# Altium PCB MSP430F55 Microcontroller.PcbDoc (part 2 of 2)
Units mm, origin at the board's own origin, x right, y up, seen from the top; angles counter-clockwise.
Board outline 86.39 x 49.56 mm, 4 copper layers (Top Layer, GND, Signal, Bottom), stack 1.586 mm thick; 127 components, 113 nets, 432 pads, 154 vias.
Unrouted connection lines stored in the file: 10.
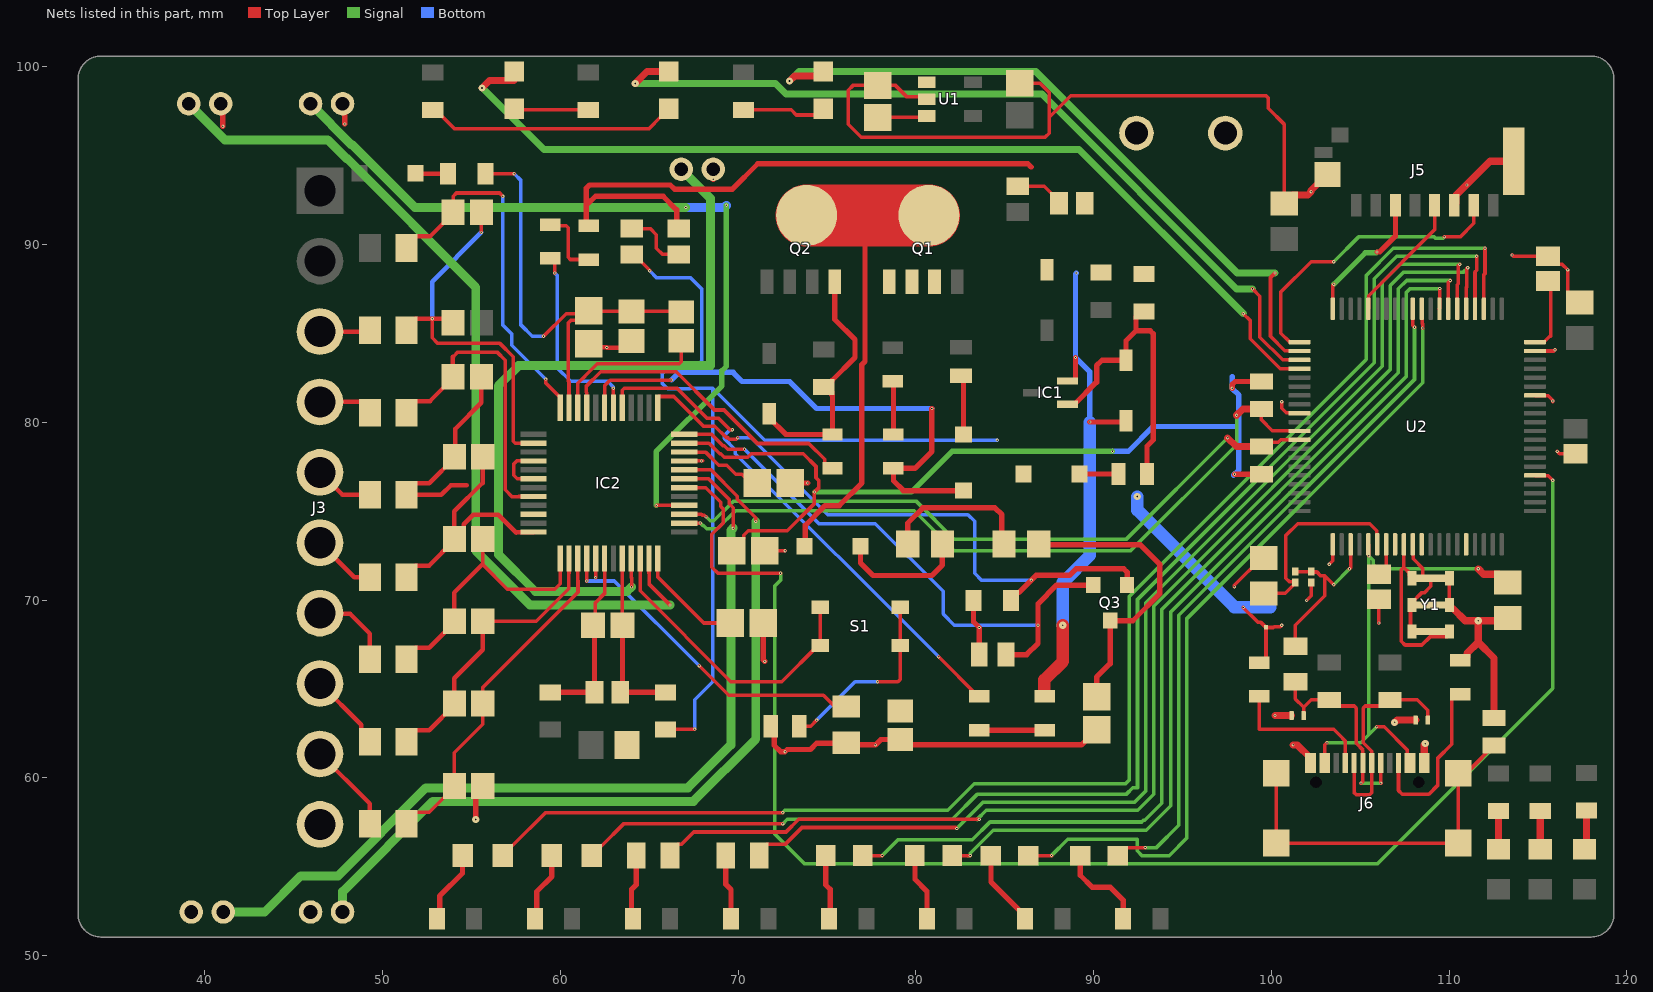
[diagram p4: the nets of this part, all layers, seen from the top]

## Via types
v1: diameter 0.178, hole 0.076, Top Layer to Bottom, 52 vias
v2: diameter 0.178, hole 0.076, Top Layer to Signal, 46 vias
v3: diameter 0.178, hole 0.076, Top Layer to GND, 27 vias
v4: diameter 0.4, hole 0.1, Top Layer to GND, 14 vias
v5: diameter 0.4, hole 0.1, Top Layer to Bottom, 6 vias
v6: diameter 0.4, hole 0.1, Top Layer to Signal, 6 vias
v7: diameter 0.178, hole 0.076, Signal to Bottom, 3 vias

## Nets (pads, with @x,y where several pads share a name; then routed paths per layer and width w, separated by ;. In a path a pad name is that pad's centre, name@x,y a point inside that pad or via, vN(x,y) a via of type N, cw(c..) or ccw(c..) an arc to the next point about the centre after c; other vN are vias at no path point) (continued)
DFETOFF: IC2.30 U2.5 | length 86.5
  Top Layer w0.2: IC2.30@66.976,76.322 68.19,76.322 69.017,75.494 69.017,75.262 69.161,75.118 69.161,74.332 68.522,73.693 68.522,71.849 68.87,71.501 v2(72.39,71.501) ; U2.5@114.829,77.006 114.85,76.985 115.571,76.985 v2(115.824,76.732)
  Signal w0.2: v2(72.39,71.501) 72.39,71.12 72.051,70.781 72.051,56.854 73.737,55.168 105.968,55.168 115.824,65.024 v2(115.824,76.732)
DI_N: J6.A7 J6.B7 R33.1 U5.1 | length 12.3
  Top Layer w0.2: J6.B7@104.648,60.833 104.648,59.172 104.765,59.055 105.527,59.055 105.644,59.172 105.644,60.183 105.648,60.187 J6.A7@105.648,60.833 105.648,61.495 105.167,61.976 105.167,63.922 105.284,64.039 106.33,64.039 R33.1@106.68,64.389 108.204,64.389 108.798,63.795 U5.1@108.798,63.246
DI_P: J6.A6 J6.B6 R34.1 R35.1 U4.1 | length 12.1
  Top Layer w0.2: R35.1@101.346,65.405 101.346,64.434 101.813,63.967 ; U4.1@101.813,63.5 101.813,63.967 ; v2(105.041,59.702) 105.148,59.809 J6.A6@105.148,60.833 105.148,61.559 104.764,61.943 104.764,63.922 104.647,64.039 103.601,64.039 R34.1@103.251,64.389 102.235,64.389 101.813,63.967 ; J6.B6@106.148,60.833 106.148,59.714 v2@106.172,59.69
  Signal w0.2: v2(105.041,59.702) v2(106.16,59.702)
L1: DS1.2 U2.23 | length 81.7
  Top Layer w0.2: DS1.2@56.751,55.626 56.751,55.701 57.226,56.176 57.301,56.176 59.164,58.039 v2(72.517,58.039) ; U2.23@111.954,86.381 111.954,88.307 112.014,88.367 v2(112.014,89.789)
  Signal w0.2: v2@72.505,58.039 72.632,58.166 81.788,58.166 83.293,59.671 91.795,59.671 92.014,59.89 92.014,70.22 105.326,83.531 105.326,88.254 106.861,89.789 v2(112.014,89.789)
L2: DS2.2 U2.24 | length 75.7
  Top Layer w0.2: DS2.2@61.775,55.626 61.775,55.701 62.25,56.176 62.325,56.176 63.553,57.404 72.51,57.404 v2(72.513,57.408) ; U2.24@111.454,86.381 111.454,88.449 111.545,88.54 v2(111.545,89.335)
  Signal w0.2: v2@72.505,57.404 72.759,57.658 82.042,57.658 83.469,59.085 91.851,59.085 92.209,59.443 92.468,59.443 92.468,70.032 105.78,83.343 105.78,88.066 107.049,89.335 v2(111.545,89.335)
L3: LED3.1 U2.25 | length 70.1
  Top Layer w0.2: LED3.1@66.175,55.626 66.175,55.826 66.6,56.251 66.8,56.251 67.499,56.95 72.698,56.95 73.406,57.658 v2(83.566,57.658) ; U2.25@110.954,86.381 110.954,87.586 110.999,87.631 110.999,88.648 v2(111.045,88.693)
  Signal w0.2: 83.443,57.654 83.965,58.177 92.487,58.177 93.376,59.067 93.376,69.656 106.688,82.967 106.688,87.69 107.425,88.427 110.779,88.427 v2(111.045,88.693)
L4: LED4.1 U2.26 | length 64.9
  Top Layer w0.2: LED4.1@71.199,55.626 71.199,55.826 71.624,56.251 72.641,56.251 73.594,57.204 82.242,57.204 v2(82.296,57.15) ; U2.26@110.454,86.381 110.454,87.728 110.511,87.785 110.511,88.161 110.5,88.172 110.5,88.79 v2(110.591,88.881)
  Signal w0.2: v2(82.296,57.15) 83.777,58.631 92.299,58.631 92.922,59.255 92.922,69.844 106.234,83.155 106.234,87.878 107.237,88.881 v2(110.591,88.881)
L5: LED6.1 U2.27 | length 57.2
  Top Layer w0.2: LED6.1@77.024,55.626 v2(78.105,55.626) ; U2.27@109.954,86.381 109.954,87.87 v2(110.057,87.973)
  Signal w0.2: v2(78.105,55.626) 78.994,56.515 83.178,56.515 84.175,57.512 92.698,57.512 92.792,57.606 92.87,57.606 93.83,58.566 93.83,69.467 107.142,82.779 107.142,87.502 107.613,87.973 v2(110.057,87.973)
L6: LED7.1 U2.28 | length 51.1
  Top Layer w0.2: LED7.1@82.048,55.626 v2(83.058,55.626) ; U2.28@109.454,86.381 109.474,86.401 v2(109.474,87.519)
  Signal w0.2: 82.931,55.626 v2(83.058,55.626) 83.058,55.753 84.363,57.058 92.964,57.058 94.329,58.423 94.329,69.324 107.596,82.591 107.596,87.314 107.801,87.519 v2(109.474,87.519)
L7: LED8.1 U2.30 | length 45.8
  Top Layer w0.2: LED8.1@86.323,55.626 v2(87.63,55.626) ; U2.30@108.454,86.381 108.475,86.36 108.475,85.566 108.506,85.535 108.506,85.301 v2(108.504,85.298)
  Signal w0.2: v2(87.63,55.626) 88.548,56.544 92.452,56.544 92.452,55.888 92.718,55.622 94.251,55.622 95.25,56.621 95.25,68.961 108.515,82.226 108.515,85.287 v2(108.504,85.298)
L8: LED9.1 U2.31 | length 38.7
  Top Layer w0.2: LED9.1@91.347,55.626 91.797,56.076 v2(92.906,56.076) ; U2.31@107.954,86.381 107.954,85.445 v2(108.052,85.347)
  Signal w0.2: v2(92.906,56.076) 93.541,56.076 94.796,57.331 94.796,69.149 108.05,82.403 108.05,85.344 v2(108.052,85.347)
L9: LED1.1 U2.42 | length 39.9
  Top Layer w0.2: v2(100.203,88.392) 99.949,88.138 99.949,84.836 100.758,84.027 101.558,84.027 U2.42@101.579,84.006
  Top Layer w0.4: v6(72.898,99.187) 73.186,99.475 LED1.1@74.803,99.475
  Signal w0.4: v6(72.898,99.187) 73.441,99.73 86.742,99.73 98.08,88.392 v2(100.203,88.392)
L10: LED2.1 U2.43 | length 47.1
  Top Layer w0.2: v2(98.933,87.503) 99.353,87.083 99.353,84.79 100.637,83.506 U2.43@101.579,83.506
  Top Layer w0.4: v6(64.213,99.06) 64.882,99.729 LED2.1@65.913,99.729
  Signal w0.4: v6@64.262,99.06 72.1,99.06 72.703,98.457 87.09,98.457 98.044,87.503 v2(98.933,87.503)
L11: LED5.1 U2.44 | length 55.1
  Top Layer w0.2: v2(98.425,86.106) 98.806,85.725 98.806,84.695 100.495,83.006 U2.44@101.579,83.006
  Top Layer w0.4: v6(55.601,98.806) 56.016,99.221 LED5.1@57.404,99.221
  Signal w0.4: v6@55.626,98.806 59.084,95.348 89.183,95.348 v2(98.425,86.106)
LD: IC2.41 R29.2 | length 29.3
  Top Layer w0.2: IC2.41@63.488,80.81 63.488,81.797 63.605,81.914 64.212,81.914 64.223,81.903 65.691,81.903 65.702,81.914 66.563,81.914 68.243,80.234 68.885,80.234 69.543,79.576 v1(69.681,79.576) ; v1(81.28,66.802) R29.2@83.472,64.61
  Bottom w0.2: v1(69.681,79.576) 69.543,79.576 69.221,79.254 69.221,79.089 69.85,78.46 69.85,78.232 v1(81.28,66.802)
"MISO B": J5.7 U2.41 | length 17.1
  Top Layer w0.2: U2.41@101.579,84.506 101.554,84.531 101.016,84.531 100.533,85.014 100.533,87.325 102.235,89.027 v2(103.505,89.027) ; v2(109.728,90.424) 110.617,90.424 111.377,91.184 J5.7@111.377,92.202
  Signal w0.2: v2(103.505,89.027) 104.902,90.424 109.163,90.424 109.227,90.36 109.664,90.36 v2(109.728,90.424)
MOSI: J5.3 U2.40 | length 7.7
  Top Layer w0.2: U2.40@103.454,86.381 103.454,87.706 v2(103.505,87.757)
  Top Layer w0.3: v2(105.937,89.578) 106.088,89.578 106.977,90.467 J5.3@106.977,92.202
  Signal w0.3: v2(103.505,87.757) 105.283,89.535 105.894,89.535 v2(105.937,89.578)
NetC1_2: C1.2 C2.1 | length 2.8
  Top Layer w0.2: C1.2@85.725,93.273 87.231,93.273 88.047,92.457 C2.1@88.047,92.329
NetC3_2: C3.2 C4.1 | length 3.7
  Top Layer w0.2: C4.1@64.008,90.896 65.06,90.896 65.405,90.551 65.405,89.789 65.75,89.444 C3.2@66.675,89.444
NetC5_2: C5.2 C6.2 C7.1 IC2.47 R5.2 | length 26.2
  Top Layer w0.2: R5.2@55.787,93.98 v1(57.404,93.98) ; v1(59.055,84.836) 60.325,86.106 61.54,86.106 61.159,85.725 60.579,85.725 60.439,85.585 60.439,82.309 60.488,82.26 IC2.47@60.488,80.81 ; C5.2@61.595,86.269 61.632,86.232 C6.2@64.008,86.232 66.764,86.232 C7.1@66.802,86.194
  Bottom w0.2: v1(57.404,93.98) 57.785,93.599 57.785,85.471 58.42,84.836 v1(59.055,84.836)
NetC7_2: C7.2 IC2.46 | length 8.9
  Top Layer w0.2: IC2.46@60.988,80.81 60.988,82.197 61.395,82.604 61.395,82.611 62.072,83.288 66.685,83.288 66.802,83.405 C7.2@66.802,84.582
NetC8_1: C8.1 C9.2 IC2.2 R15.2 | length 22.2
  Top Layer w0.2: v1(52.796,85.821) 52.796,84.745 53.088,84.453 56.578,84.453 57.35,83.681 57.35,78.939 57.467,78.822 IC2.2@58.5,78.822 ; v1(55.562,90.678) C8.1@55.562,91.816
  Top Layer w0.254: R15.2@51.342,85.173 51.342,85.323 51.84,85.821 v1(52.796,85.821) 53.752,85.821 C9.2@53.975,85.598
  Bottom w0.254: v1(52.796,85.821) 52.796,87.912 v1(55.562,90.678)
NetC8_2: C8.2 IC2.48 R14.2 | length 21
  Top Layer w0.2: C8.2@53.962,91.816 53.975,91.829 53.975,92.71 54.16,92.895 56.584,92.895 v1(56.769,92.71) ; v1(59.182,82.423) 59.182,82.204 59.984,81.402 IC2.48@59.984,80.518
  Top Layer w0.254: R14.2@51.342,89.802 51.342,89.952 51.84,90.45 52.671,90.45 53.962,91.741 C8.2@53.962,91.816
  Bottom w0.2: v1(56.769,92.71) 56.769,85.471 57.277,84.963 57.277,84.328 v1(59.182,82.423)
NetC10_2: C10.2 Q3.3 R11.1 | length 17
  Top Layer w0.3: R11.1@86.915,73.152 86.964,73.103 92.632,73.103 93.726,72.009 93.726,70.358 92.202,68.834 Q3.3@90.932,68.834 90.932,66.929 90.937,66.924 90.937,66.675 90.932,66.67 90.932,66.421 90.17,65.659 C10.2@90.17,64.552
NetC11_1: C11.1 C15.2 IC2.10 R18.2 | length 12.4
  Top Layer w0.254: C15.2@54.038,78.058 54.102,78.122 54.102,79.629 55.562,81.089 C11.1@55.562,82.559 ; C15.2@54.076,78.021 52.62,76.565 51.84,76.565 51.342,76.067 R18.2@51.342,75.917 53.311,75.917 53.848,76.454 54.737,76.454
NetC11_2: C11.2 IC2.8 R16.2 | length 17
  Top Layer w0.2: 53.975,83.693 54.229,83.947 56.442,83.947 56.896,83.493 56.896,76.2 57.277,75.819 57.658,75.819 57.661,75.822 IC2.8@58.5,75.822
  Top Layer w0.254: R16.2@51.342,80.545 51.342,80.695 51.84,81.193 52.671,81.193 53.962,82.484 C11.2@53.962,82.559 53.962,83.68 53.975,83.693
NetC13_1: C13.1 IC2.34 | length 4.6
  Top Layer w0.2: IC2.34@66.976,78.322 68.164,78.322 68.908,77.578 69.361,77.578 69.872,77.067 70.217,77.067 C13.1@70.83,76.454
NetC14_1: C14.1 IC2.36 Q3.2 | length 32.9
  Top Layer w0.2: IC2.36@66.976,79.322 67.61,79.322 67.614,79.326 68.509,79.326 69.149,78.686 69.215,78.686 69.415,78.486 v1(70.358,78.486)
  Top Layer w0.3: C14.1@85.066,66.929 86.233,66.929 86.868,67.564 86.868,69.786 87.916,70.834 Q3.2@89.982,70.834
  Bottom w0.2: v1(70.358,78.486) 74.549,74.295 77.724,74.295 81.534,70.485 81.534,69.215 82.169,68.58 v1(86.868,68.58)
NetC15_1: C15.1 C16.2 IC2.12 R19.2 | length 14.7
  Top Layer w0.254: R19.2@51.342,71.289 51.342,71.439 51.84,71.937 52.62,71.937 54.038,73.355 C16.2@54.038,73.43 ; C15.1@55.638,78.058 55.626,78.046 55.626,76.581 54.038,74.993 C16.2@54.038,73.43 ; IC2.12@58.5,73.822 58.477,73.799 57.543,73.799 57.531,73.787 56.515,74.803 55.097,74.803 54.561,74.267 54.561,73.953 C16.2@54.038,73.43
NetC16_1: C16.1 C17.2 IC2.13 R20.2 | length 15.5
  Top Layer w0.2: C16.1@55.638,73.43 55.626,73.418 55.626,72.009 57.023,70.612 59.69,70.612 59.988,70.91 IC2.13@59.988,72.334
  Top Layer w0.254: R20.2@51.342,66.66 51.342,66.81 51.84,67.308 52.62,67.308 54.038,68.727 C17.2@54.038,68.802 54.038,70.421 55.626,72.009
NetC17_1: C17.1 C18.2 IC2.14 R21.2 | length 16.3
  Top Layer w0.2: C17.1@55.638,68.802 58.642,68.802 60.475,70.635 60.475,71.484 60.488,71.497 IC2.14@60.488,72.334
  Top Layer w0.25: C18.2@54.038,64.098 54.038,65.595 55.638,67.195 C17.1@55.638,68.802
  Top Layer w0.254: R21.2@51.342,62.032 51.342,62.182 51.84,62.68 52.62,62.68 C18.2@54.038,64.098
NetC18_1: C18.1 C19.2 IC2.15 R23.2 | length 19.4
  Top Layer w0.2: R23.2@51.342,57.404 51.342,57.554 51.84,58.052 52.62,58.052 54.038,59.47 C19.2@54.038,59.545 54.038,61.404 55.638,63.004 55.638,65.082 60.994,70.438 60.994,71.086 60.988,71.092 IC2.15@60.988,72.334
NetC20_1: C20.1 IC2.24 | length 6.2
  Top Layer w0.2: IC2.24@65.488,72.334 65.488,71.291 68.072,68.707 C20.1@69.56,68.707
NetC21_1: C21.1 C22.2 IC2.20 R27.2 | length 10.1
  Top Layer w0.2: IC2.20@63.488,72.334 63.488,68.592 C21.1@63.5,68.58
  Top Layer w0.3: C21.1@63.5,68.58 63.5,64.933 C22.2@63.373,64.806 65.911,64.806 R27.2@65.913,64.804
NetC21_2: C21.2 C22.1 IC2.18 R26.2 | length 10.3
  Top Layer w0.2: C21.2@61.85,68.58 61.976,68.706 61.976,69.85 62.488,70.362 IC2.18@62.488,72.334
  Top Layer w0.3: R26.2@59.436,64.804 61.918,64.804 C22.1@61.921,64.806 61.921,68.509 C21.2@61.85,68.58
NetC23_2: C23.2 IC2.16 R25.2 | length 18.6
  Top Layer w0.2: v1(61.488,71.07) IC2.16@61.488,72.334 ; v1(67.818,66.294) 69.469,64.643 74.803,64.643 R25.2@75.551,63.895 ; C23.2@78.896,63.529 C23.2@79.121,63.754
  Bottom w0.2: v1(61.488,71.07) 63.042,71.07 v1(67.818,66.294)
NetC25_2: C25.2 U1.1 U1.3 | length 2.8
  Top Layer w0.2: C25.2@77.851,97.144 80.538,97.144 U1.3@80.615,97.221
NetC28_2: C28.2 U2.20 | length 4.2
  Top Layer w0.2: U2.20@114.829,84.506 115.329,84.506 115.659,84.836 115.707,84.836 115.707,87.809 C28.2@115.57,87.946
NetC29_2: C29.2 U2.67 | length 1.9
  Top Layer w0.2: C29.2@106.045,71.439 106.454,71.848 U2.67@106.454,73.131
NetD1_2: D1.2 R5.1 | length 1.8
  Top Layer w0.254: D1.2@51.867,94.005 51.892,93.98 R5.1@53.687,93.98
NetD2_1: D2.1 R6.1 | length 3.4
  Top Layer w0.3: R6.1@82.543,82.619 82.677,82.485 D2.1@82.677,79.299
NetD2_2: D2.2 IC2.43 R12.1 | length 30.6
  Top Layer w0.2: IC2.43@62.488,80.81 62.488,82.057 62.799,82.368 66.239,82.368 v1(66.251,82.38)
  Top Layer w0.3: v1(80.899,80.772) 80.899,78.359 79.949,77.409 R12.1@78.74,77.409 78.74,76.708 79.299,76.149 D2.2@82.677,76.149
  Bottom w0.3: v1(66.251,82.38) 66.675,82.804 69.723,82.804 70.231,82.296 72.898,82.296 74.422,80.772 v1(80.899,80.772)
NetD3_1: D3.1 Q1.5-6-7-8 Q2.5-6-7-8 | length 27.4
  Top Layer w0.3: D3.1@73.736,73.025 73.787,73.076 73.787,74.207 74.891,75.311 75.692,75.311 76.962,76.581 76.962,83.243 77.135,83.416 77.135,91.464 76.962,91.636
  Top Layer w3.5: Q2.5-6-7-8@73.85,91.636 76.962,91.636 Q1.5-6-7-8@80.735,91.636
NetD3_2: D3.2 R13.2 | length 7.3
  Top Layer w0.3: D3.2@76.886,73.025 76.886,72.085 77.597,71.374 80.899,71.374 81.494,71.969 R13.2@81.494,73.152
NetD4_2: D4.2 R2.2 | length 2.2
  Top Layer w0.3: D4.2@89.205,77.089 R2.2@91.402,77.089
NetDS1_1: DS1.1 R42.2 | length 4.2
  Top Layer w0.3: R42.2@53.052,52.07 53.213,52.231 53.213,53.34 54.501,54.628 DS1.1@54.501,55.626
NetDS2_1: DS2.1 R43.2 | length 4
  Top Layer w0.3: R43.2@58.567,52.07 58.674,52.177 58.674,53.594 59.525,54.445 DS2.1@59.525,55.626
NetDS3_2: DS3.2 R52.1 | length 2.2
  Top Layer w0.4: DS3.2@115.126,55.971 R52.1@115.126,58.132
NetDS4_2: DS4.2 R53.1 | length 2.2
  Top Layer w0.4: DS4.2@112.776,55.971 R53.1@112.776,58.132
NetDS5_2: DS5.2 R54.1 | length 2.2
  Top Layer w0.4: DS5.2@117.602,55.971 117.729,56.098 R54.1@117.729,58.166
NetIC1_1: IC1.1 R1.2 R2.1 Z3.1 | length 17.2
  Top Layer w0.3: IC1.1@88.527,81.011 88.927,81.011 90.17,82.254 90.17,83.185 90.473,83.488 Z3.1@91.821,83.488 91.821,84.582 92.387,85.148 ; R1.2@92.837,86.233 92.687,86.233 92.387,85.933 92.387,85.148 ; R2.1@93.002,77.089 93.002,78.651 93.353,79.002 93.353,84.972 93.177,85.148 92.387,85.148
NetIC2_4: IC2.4 IC2.6 | length 3
  Top Layer w0.2: IC2.6@58.5,76.822 57.574,76.822 57.381,77.014 57.381,77.651 57.553,77.822 IC2.4@58.5,77.822
NetIC2_37: IC2.37 Q3.1 R17.2 | length 35.8
  Top Layer w0.2: IC2.37@65.488,80.81 65.488,81.398 65.538,81.448 66.388,81.448 68.055,79.78 68.697,79.78 69.337,79.14 69.403,79.14 69.495,79.048 69.904,79.048 v1(69.977,79.121)
  Top Layer w0.3: R17.2@85.344,69.977 85.344,70.127 85.644,70.427 85.794,70.427 86.755,71.388 88.646,71.388 89.013,71.755 91.694,71.755 91.882,71.567 Q3.1@91.882,70.834
  Bottom w0.2: v1(69.977,79.121) 70.732,79.121 75.05,74.803 82.931,74.803 83.312,74.422 83.312,71.501 83.693,71.12 v1(86.487,71.12)
NetIC2_45: IC2.45 R10.1 | length 17.5
  Top Layer w0.2: IC2.45@61.488,80.81 61.488,81.665 61.472,81.681 61.472,82.038 62.267,82.834 66.525,82.834 68.671,80.688 69.211,80.688 71.094,78.805 73.976,78.805 74.867,77.914 74.867,77.487 R10.1@74.93,77.424
NetJ3_3: J3.3 R15.1 | length 2.8
  Top Layer w0.254: J3.3@46.482,85.101 49.22,85.101 R15.1@49.292,85.173
NetJ3_4: J3.4 R16.1 | length 3.1
  Top Layer w0.254: J3.4@46.482,81.141 48.794,81.141 49.292,80.643 R16.1@49.292,80.545
NetJ3_5: J3.5 R18.1 | length 3.3
  Top Layer w0.254: J3.5@46.482,77.181 47.746,75.917 R18.1@49.292,75.917
NetJ3_6: J3.6 R19.1 | length 3.6
  Top Layer w0.254: J3.6@46.482,73.221 48.414,71.289 R19.1@49.292,71.289
NetJ3_7: J3.7 R20.1 | length 4.7
  Top Layer w0.254: J3.7@46.482,69.261 46.527,69.216 48.176,69.216 49.292,68.1 R20.1@49.292,66.66
NetJ3_8: J3.8 R21.1 | length 4.4
  Top Layer w0.254: J3.8@46.482,65.301 48.806,62.977 48.806,62.518 R21.1@49.292,62.032
NetJ3_9: J3.9 R23.1 | length 5.1
  Top Layer w0.254: J3.9@46.482,61.341 49.292,58.531 R23.1@49.292,57.404
NetJ6_A5: J6.A5 R37.1 | length 8.2
  Top Layer w0.2: R37.1@99.314,64.582 99.314,62.738 103.505,62.738 104.013,62.23 104.013,62.207 104.148,62.072 J6.A5@104.148,60.833
NetJ6_B5: J6.B5 R36.2 | length 9.8
  Top Layer w0.2: J6.B5@107.148,60.833 107.148,59.288 107.357,59.079 108.863,59.079 109.347,59.563 109.347,61.088 110.142,61.883 110.142,64.459 110.392,64.709 R36.2@110.617,64.709
NetJ6_MP1: J6.MP1 J6.MP2 J6.MP3 J6.MP4 R40.1 | length 20.8
  Top Layer w0.2: J6.MP1@100.278,60.258 J6.MP3@100.278,56.328 J6.MP4@110.518,56.328 J6.MP2@110.518,60.258 110.726,60.466 111.167,60.466 R40.1@112.522,61.821
NetLED1_2: LED1.2 R41.2 | length 4.7
  Top Layer w0.2: R41.2@70.309,97.575 72.986,97.575 73.279,97.282 74.71,97.282 LED1.2@74.803,97.375
NetLED2_2: LED2.2 R44.2 | length 14.2
  Top Layer w0.2: R44.2@52.832,97.575 52.982,97.575 54.037,96.52 64.994,96.52 65.628,97.154 65.653,97.154 66.103,97.604 LED2.2@66.103,97.629
NetLED3_2: LED3.2 R45.2 | length 3.7
  Top Layer w0.3: R45.2@64.083,52.07 64.008,52.145 64.008,53.721 64.275,53.988 LED3.2@64.275,55.626
NetLED4_2: LED4.2 R46.2 | length 3.7
  Top Layer w0.3: LED4.2@69.299,55.626 69.299,54.018 69.598,53.719 R46.2@69.598,52.07
NetLED5_2: LED5.2 R47.2 | length 4.2
  Top Layer w0.2: LED5.2@57.404,97.629 57.458,97.575 R47.2@61.57,97.575
NetLED6_2: LED6.2 R48.2 | length 3.7
  Top Layer w0.3: LED6.2@74.924,55.626 74.924,53.981 75.184,53.721 75.184,52.14 R48.2@75.114,52.07
NetLED7_2: LED7.2 R49.2 | length 3.8
  Top Layer w0.3: LED7.2@79.948,55.626 79.948,54.291 80.629,53.61 R49.2@80.629,52.07
NetLED8_2: LED8.2 R50.2 | length 4.4
  Top Layer w0.3: LED8.2@84.223,55.626 84.223,54.142 86.145,52.22 R50.2@86.145,52.07
NetLED9_2: LED9.2 R51.2 | length 5.2
  Top Layer w0.3: LED9.2@89.247,55.626 89.247,54.517 89.916,53.848 90.932,53.848 91.058,53.722 91.66,53.12 R51.2@91.66,52.07
NetQ2_4: Q2.4 R3.2 R10.2 Z1.1 | length 14.4
  Top Layer w0.3: Z1.1@71.755,80.469 71.755,80.244 72.69,79.309 R10.2@75.311,79.309 75.311,81.501 75.268,81.544 75.268,81.694 R3.2@74.968,81.994 ; Q2.4@75.438,87.908 75.438,85.786 76.581,84.643 76.581,83.645 75.268,82.332 75.268,82.294 R3.2@74.968,81.994 ; R3.2@74.968,81.994 R3.2@74.818,81.994 R3.2@74.968,81.994
NetR7_1: R7.1 R12.2 | length 3
  Top Layer w0.3: R7.1@78.705,82.294 78.74,82.259 R12.2@78.74,79.309
NetR8_2: R8.2 S1.2 S1.4 | length 10.8
  Top Layer w0.2: R8.2@73.444,62.905 74.081,62.905 v1(74.422,63.246) ; v1(77.851,65.405) 78.994,65.405 79.121,65.532 S1.2@79.121,67.437 S1.4@79.121,69.587
  Bottom w0.2: v1(74.422,63.246) 76.581,65.405 v1(77.851,65.405)
NetR9_2: R9.2 R24.1 | length 3.9
  Top Layer w0.2: R24.1@59.436,91.12 59.497,91.059 60.325,91.059 60.452,90.932 60.452,89.271 60.569,89.154 61.59,89.154 R9.2@61.595,89.149
NetR11_2: R11.2 R13.1 | length 8.7
  Top Layer w0.3: R13.1@79.542,73.152 79.542,74.335 80.391,75.184 84.455,75.184 84.836,74.803 84.836,73.279 R11.2@84.963,73.152
NetR22_2: R22.2 R29.1 | length 3.8
  Top Layer w0.3: R29.1@83.49,62.677 R22.2@87.249,62.677
NetU2_69: U2.69 Y1.1 Y1.6 Y1.7 | length 9.5
  Top Layer w0.2: U2.69@107.454,73.131 107.454,71.835 ; Y1.6@107.916,71.223 107.766,71.373 107.766,71.523 107.454,71.835 ; Y1.7@110.016,68.223 110.016,68.073 109.866,67.923 108.92,67.923 108.466,67.469 107.519,67.469 107.312,67.676 107.312,71.693 107.454,71.835
NetU2_70: U2.70 Y1.3 Y1.4 Y1.5 | length 6.1
  Top Layer w0.2: Y1.4@107.916,68.223 107.823,68.316 107.823,69.63 Y1.5@107.916,69.723 107.916,69.873 108.441,70.398 108.591,70.398 108.966,70.773 Y1.3@108.966,71.223 108.62,71.223 108.52,71.323 108.52,71.77 107.975,72.315 107.975,73.11 U2.70@107.954,73.131
PACK: IC2.42 R24.2 | length 11.1
  Top Layer w0.2: R24.2@59.436,89.22 59.44,89.22 59.69,88.97 v1(59.69,88.392) ; IC2.42@62.988,80.81 v1(62.988,81.914)
  Bottom w0.2: v1(59.69,88.392) 59.817,88.265 59.817,83.058 60.579,82.296 62.661,82.296 62.988,81.969 v1(62.988,81.914)
PACK+: C2.2 C3.1 IC1.2 J4.1 Q1.1 Q1.2 Q1.3 R1.1 R4.1 R9.1 R22.1 Z2.2 Z3.2 | length 63.5
  Top Layer w0.3: R9.1@61.595,91.176 R9.1@61.595,91.049 61.468,91.176 61.468,93.169 61.644,93.345 66.186,93.345 66.422,93.109 69.677,93.109 71.106,94.538 86.31,94.538 86.487,94.361 ; 61.595,92.329 61.976,92.71 65.785,92.71 66.547,91.948 66.547,91.024 C3.1@66.675,90.896 ; IC1.2@88.527,82.311 88.927,82.311 88.977,82.361 v1(88.977,83.643) ; v1(89.789,80.01) 91.743,80.01 Z3.2@91.821,80.088 ; J4.1@92.33,96.266 J4.1@92.409,96.266
  Top Layer w0.7: R22.1@87.231,64.897 87.231,65.514 88.265,66.548 v5(88.265,68.58)
  Bottom w0.3: v1(89.027,88.392) 88.977,88.342 v1(88.977,83.643) 89.789,82.831 v1(89.789,80.01)
  Bottom w0.7: v5(88.265,68.58) 88.265,70.993 89.789,72.517 v1(89.789,80.01)
PACK-: C4.2 D4.1 J4.2 R27.1 R28.2 RJ2.2 | length 63.9
  Top Layer w0.2: C4.2@64.008,89.444 64.136,89.444 65.024,88.556 v1(65.024,88.519) ; R27.1@65.913,62.704 65.947,62.738 v1(67.564,62.738)
  Bottom w0.2: v1(65.024,88.519) 65.405,88.138 67.31,88.138 67.945,87.503 67.945,83.425 67.828,83.308 66.466,83.308 66.343,83.185 66.167,83.185 65.747,82.765 65.747,82.171 66.042,81.876 67.291,81.876 67.331,81.915 68.58,81.915 ; v1(67.564,62.738) 67.564,64.389 68.58,65.405 68.58,81.915 ; v1(84.582,78.994) 71.501,78.994 68.58,81.915
  Bottom w0.7: v5(92.456,75.819) 92.456,75.057 97.917,69.596 99.949,69.596
  other v1: 98.425,69.581
PUR: R35.2 R38.2 R39.1 U2.63 | length 9.8
  Top Layer w0.2: R35.2@101.346,67.405 101.346,68.58 102.997,70.231 102.997,71.374 ; R39.1@101.346,71.602 R38.2@102.235,71.602 102.263,71.574 102.563,71.574 102.763,71.374 102.997,71.374 ; v2(103.505,70.866) 102.997,71.374 ; v2(104.394,71.755) 104.454,71.815 U2.63@104.454,73.131
  Signal w0.2: v2(103.505,70.866) v2(104.394,71.755)
REG1: C12.1 IC2.35 R31.1 R32.1 | length 50.9
  Top Layer w0.2: IC2.35@66.976,78.822 67.814,78.822 67.818,78.818 68.361,78.818 68.512,78.667 68.526,78.667 68.961,78.232 69.027,78.232 69.227,78.032 70.546,78.032 70.746,78.232 73.66,78.232 74.382,77.51 74.382,76.875 74.549,76.708 74.549,76.327 v2(74.295,76.073) 74.295,75.428 72.767,73.9 70.579,73.9 70.326,73.647 70.326,73.446 C12.1@69.651,72.771
  Top Layer w0.3: v1(97.79,81.915) 97.79,82.12 97.966,82.296 R31.1@99.441,82.296 ; v1(97.924,77.075) R32.1@99.441,77.075
  Signal w0.3: v2(74.295,76.073) 79.756,76.073 82.042,78.359 v7(91.059,78.359)
  Bottom w0.3: v7(91.059,78.359) 91.948,78.359 93.345,79.756 98.171,79.756 ; 97.79,82.55 97.79,81.909 98.171,81.528 98.171,79.756 ; v1@97.87,77.021 98.171,77.322 98.171,79.756
RST: U2.76
SCK: J5.5 U2.36 | length 7.4
  Top Layer w0.2: U2.36@105.454,86.381 105.475,86.402 105.475,87.123 109.177,90.825 J5.5@109.177,92.202
SCL: IC2.26 R31.2 U2.51 | length 41.2
  Top Layer w0.2: IC2.26@66.976,74.322 67.867,74.322 v2(67.875,74.33) ; R31.2@99.441,80.744 99.441,80.137 100.051,79.527 101.558,79.527 U2.51@101.579,79.506
  Top Layer w0.4: v2(98.044,80.391) 98.397,80.744 R31.2@99.441,80.744
  Signal w0.2: v2(67.875,74.33) 68.031,74.174 68.066,74.174 68.241,73.999 68.827,73.999 69.854,75.026 79.907,75.026 82.162,72.771 92.075,72.771 98.044,78.74 v2(98.044,80.391)
SDA: IC2.27 R32.2 U2.52 | length 38.7
  Top Layer w0.2: IC2.27@66.976,74.822 67.938,74.822 67.984,74.776 68.099,74.776 v2(68.199,74.676) ; R32.2@99.469,78.867 100.379,78.867 100.518,79.006 U2.52@101.579,79.006
  Top Layer w0.4: v2(97.536,79.121) 98.03,78.627 R32.2@99.441,78.627
  Signal w0.2: v2(68.199,74.676) 68.206,74.676 68.429,74.453 68.639,74.453 69.751,75.565 80.01,75.565 82.169,73.406 91.821,73.406 v2(97.536,79.121)
TEST: U2.71
TH1: IC2.32 RT1.1 | length 45.6
  Top Layer w0.2: IC2.32@66.976,77.322 67.814,77.322 67.818,77.318 68.478,77.318 69.955,75.841 69.955,75.659 70.993,74.621 v1(70.993,74.422)
  Signal w0.5: RT1.1@47.752,52.451 47.752,53.594 52.832,58.674 67.487,58.674 70.993,62.18 v1(70.993,74.422)
TH2: IC2.31 RT2.1 | length 49.4
  Top Layer w0.2: IC2.31@66.976,76.822 67.864,76.822 67.874,76.831 68.322,76.831 69.501,75.653 69.501,75.42 69.723,75.198 v1(69.723,74.041)
  Signal w0.5: RT2.1@41.043,52.451 43.365,52.451 45.397,54.483 47.498,54.483 52.443,59.428 67.175,59.428 69.596,61.849 69.596,73.914 v1(69.723,74.041)
TH3: IC2.21 RT3.1 | length 43.7
  Top Layer w0.2: IC2.21@63.988,72.334 63.988,71.267 64.008,71.247 v1(64.008,70.739)
  Signal w0.5: v1(64.008,70.739) 63.746,70.477 58.605,70.477 56.515,72.567 56.515,82.042 57.658,83.185 68.453,83.185 68.453,92.583 RT3.1@66.802,94.234
TH4: IC2.23 RT4.1 | length 50.5
  Top Layer w0.2: IC2.23@64.988,72.334 64.988,71.505 64.992,71.501 64.992,70.898 v1(66.167,69.723)
  Signal w0.5: RT4.1@39.094,97.917 41.126,95.885 46.918,95.885 47.965,94.838 48.003,94.838 55.245,87.596 55.245,72.771 58.293,69.723 v1(66.167,69.723)
TH5: IC2.28 RT5.1 | length 46
  Top Layer w0.2: v2(65.405,75.311) 65.416,75.322 IC2.28@66.976,75.322
  Signal w0.3: v2@65.393,75.323 65.393,78.347 69.088,82.042 69.088,82.895 69.342,83.149 v7(69.342,92.202)
  Signal w0.5: RT5.1@45.952,97.917 48.278,95.592 48.316,95.592 51.832,92.075 v7(67.056,92.075)
  Bottom w0.5: v7(67.056,92.075) 69.215,92.075 v7(69.342,92.202)
TS2: IC2.22 S1.1 S1.3 | length 17.1
  Top Layer w0.2: IC2.22@64.488,72.334 64.488,70.513 69.596,65.405 72.464,65.405 74.496,67.437 S1.1@74.621,67.437 S1.3@74.621,69.587
USCBCGND: C24.1 C25.1 C27.1 C28.1 C29.1 C30.1 C31.1 C32.1 C33.1 J5.6 J5.MP1 J5.MP2 J6.A1 J6.A12 R36.1 R37.2 R38.1 R40.2 RJ2.1 U1.2 U2.14 U2.19 U2.49 U2.61 U2.68 U4.2 U5.2 Y1.2 Y1.8 Y1.9 | length 88.6
  Top Layer w0.2: U1.2@80.615,98.171 80.488,98.298 79.502,98.298 78.856,98.944 C25.1@77.851,98.944 76.465,98.944 76.2,98.679 76.2,96.769 76.929,96.04 78.773,96.04 78.774,96.041 87.288,96.041 87.503,96.256 87.503,97.155 ; C24.1@85.852,99.071 86.984,99.071 87.503,98.552 87.503,97.155 ; v3(97.917,70.739) 97.917,70.823 99.468,72.374 C30.1@99.568,72.374 ; 98.425,69.596 98.425,69.566 99.254,68.737 99.411,68.737 99.693,68.455 RJ2.1@99.695,68.453 ; R37.2@99.314,66.482 99.445,66.482 99.695,66.732 RJ2.1@99.695,68.453 ; v3(100.584,68.58) 100.508,68.504 100.151,68.504 100.1,68.453 RJ2.1@99.695,68.453 ; v3(100.584,81.153) 100.584,80.78 100.837,80.527 101.558,80.527 U2.49@101.579,80.506 ; C27.1@100.711,92.313 100.711,96.774 99.817,97.668 99.817,98.24 99.7,98.357 88.705,98.357 87.503,97.155 ; v3(101.981,69.977) 102.235,70.231 R38.1@102.235,70.993 ; v3(103.251,72.009) 103.448,72.206 103.448,73.125 U2.61@103.454,73.131 ; v3(106.045,68.707) C29.1@106.045,70.039 ; Y1.8@110.016,69.723 Y1.9@110.016,71.223 ; v3(113.538,89.408) 113.6,89.346 C28.1@115.57,89.346 116.02,88.896 116.346,88.896 v3(116.673,88.569) 116.673,87.3 117.248,86.725 C31.1@117.348,86.725 ; U2.14@114.829,81.506 114.85,81.485 115.571,81.485 115.824,81.232 v3(115.824,81.193) v3@115.824,81.153 ; U2.19@114.829,84.006 115.883,84.006 v3(115.951,84.074) ; v3(116.078,78.359) 116.208,78.229 C32.1@117.094,78.229
  Top Layer w0.4: v3(100.203,63.5) U4.2@101.133,63.5 ; C27.1@100.711,92.313 101.186,92.788 102.059,92.788 v3(102.235,92.964) 102.235,93.035 J5.MP1@103.127,93.927 ; v3(101.219,61.849) 101.457,61.849 102.198,61.108 J6.A1@102.198,60.833 ; v4(106.934,63.119) 107.061,63.246 U5.2@108.118,63.246 ; J6.A12@108.598,60.833 108.598,61.862 v4(108.655,61.919) ; Y1.8@110.016,69.723 110.016,69.573 110.066,69.523 110.216,69.523 110.905,68.834 v4(111.633,68.834) ; J5.6@110.277,92.202 110.377,92.302 110.377,92.769 112.29,94.682 J5.MP2@113.627,94.682 ; R36.1@110.617,66.609 110.842,66.609 110.992,66.759 110.992,66.984 111.633,67.625 ; R40.2@112.522,63.373 112.522,66.736 111.633,67.625 ; C33.1@113.284,68.977 113.141,68.834 v4(111.633,68.834) ; 111.633,67.625 v4(111.633,68.834)
  other v3: 110.998,93.345
VBUS: C33.2 J6.A4 J6.A9 U2.65 | length 26.7
  Top Layer w0.2: J6.A4@102.998,60.833 102.998,61.85 v2(103.124,61.976) ; U2.65@105.454,73.131 105.475,73.11 105.475,72.49 v2(105.481,72.484) ; v2(105.918,62.865) 106.342,62.865 107.652,61.555 107.652,60.979 J6.A9@107.798,60.833
  Top Layer w0.4: v2(111.633,71.755) 111.936,71.452 112.809,71.452 C33.2@113.284,70.977
  Signal w0.2: v2(103.124,61.976) 105.029,61.976 105.474,62.42 ; v2(105.918,62.865) 105.474,62.42 ; v2(111.633,71.755) 105.987,71.755 105.734,72.008 105.734,72.231 v2(105.481,72.484) 105.474,72.476 105.474,62.42
VSS: C5.1 C6.1 C10.1 C12.2 C13.2 C14.2 C19.1 C20.2 C23.1 IC2.17 IC2.33 J3.10 R8.1 R17.1 R25.1 RT1.2 RT2.2 RT3.2 RT4.2 RT5.2 | length 37.7
  Top Layer w0.2: v3(61.988,71.259) IC2.17@61.988,72.334 ; IC2.33@66.976,77.822 67.864,77.822 v3(67.943,77.822) v3@68.022,77.822 ; C12.2@71.501,72.771 v3(72.644,72.771)
  Top Layer w0.254: C5.1@61.595,84.419 61.804,84.21 62.602,84.21 v3(62.611,84.201) 63.627,84.201 C6.1@64.008,84.582
  Top Layer w0.3: RT4.2@40.894,97.917 41.021,97.79 v3(41.021,96.647) ; RT5.2@47.752,97.917 47.879,97.79 v3(47.879,96.774) ; v4(55.245,57.658) 55.245,59.152 C19.1@55.638,59.545 ; v3(68.602,93.663) RT3.2@68.602,94.234 ; C20.2@71.41,68.707 71.41,66.639 v3(71.501,66.548) ; R8.1@71.844,62.905 72.028,62.721 72.028,61.83 72.39,61.468 v3(72.644,61.468) 72.771,61.595 74.063,61.595 74.41,61.943 76.049,61.943 R25.1@76.073,61.967 76.191,61.849 v3(77.724,61.849) 78.029,62.154 C23.1@79.121,62.154 79.426,61.849 89.317,61.849 C10.1@90.17,62.702 ; C13.2@72.934,76.581 v3(73.914,76.581) ; R17.1@83.244,69.977 83.244,68.775 v3(83.566,68.453) C14.2@83.566,66.929
VUSB: C30.2 R39.2 U2.66 | length 11.4
  Top Layer w0.2: C30.2@99.568,70.374 100.773,70.374 101.318,70.92 101.318,71.021 101.018,71.021 100.811,71.228 100.811,73.633 101.473,74.295 105.537,74.295 105.933,73.899 105.933,73.152 U2.66@105.954,73.131
pads on no net: C9.1 IC2.1 IC2.3 IC2.5 IC2.7 IC2.9 IC2.11 IC2.19 IC2.38 IC2.39 IC2.40 IC2.44 J3.1 J5.1 J5.8 J5.DP1 J5.DP2 J6.A8 J6.B8 J6.MH1 J6.MH2 U1.4 U2.1 U2.2 U2.3 U2.4 U2.7 U2.8 U2.9 U2.10 U2.12 U2.13 U2.21 U2.22 U2.32 U2.33 U2.34 U2.35 U2.37 U2.38 U2.45 U2.46 U2.47 U2.48 U2.53 U2.54 U2.55 U2.56 U2.57 U2.58 U2.59 U2.60 U2.72 U2.73 U2.74 U2.75 U2.77 U2.78 U2.79 U2.80

## Polygon pours and split planes (outlines as drawn)
3.3V on Bottom "3.3V_L04_P010" (solid, pour order 10): 116.459,51.181 ccw(c116.459,53.721) 118.999,53.721 118.999,94.488 ccw(c116.713,94.488) 116.713,96.774 101.473,96.774 ccw(c101.473,94.234) 98.933,94.234 98.933,53.34 ccw(c101.092,53.34) 101.092,51.181 105.791,51.181
3.3V on Bottom "3.3V_L04_P009" (solid, pour order 9): 50.812,96.381 cw(c50.812,97.143) 50.05,97.143 50.05,99.556 cw(c50.812,99.556) 50.812,100.318 90.055,100.318 cw(c90.055,99.683) 90.69,99.683 90.69,97.778 cw(c89.293,97.778) 89.293,96.381
3.3V on Bottom "3.3V_L04_P008" (solid, pour order 8): 55.13,51.296 cw(c55.13,52.058) 54.368,52.058 54.368,54.471 cw(c55.13,54.471) 55.13,55.233 94.373,55.233 cw(c94.373,54.598) 95.008,54.598 95.008,52.693 cw(c93.611,52.693) 93.611,51.296
VSS on GND "VSS_L02_P006" (solid, pour order 6): 34.035,100.591 96.406,100.597 96.406,51.047 34.291,51.047 cw(c34.163,52.324) 32.886,52.196 32.88,99.314 cw(c34.096,99.375)
USCBCGND on GND "USCBCGND_L02_P007" (solid, pour order 7): 118.235,51.066 97.396,51.041 97.396,100.597 118.235,100.572 cw(c117.988,99.317) 119.241,99.061 119.241,52.046 cw(c118.235,52.072)
BATT+ on Top Layer "BATT+_L01_P014" (solid, pour order 14): 41.521,91.829 47.244,86.106 75.057,86.106 75.057,89.154 72.648,91.563
PACK+ on Top Layer "PACK+_L01_P016" (solid, pour order 16): 91.694,99.187 94.234,96.647 92.798,88.098 88.7,87.684 86.36,85.344 78.384,85.344 77.851,88.9 84.201,92.837
BATT- on Top Layer "BATT-_L01_P020" (solid, pour order 20): 62.23,58.42 62.357,58.547 62.357,61.341 60.452,63.246 57.023,63.246 55.626,61.849 55.753,61.722 55.753,59.055 56.261,59.055 57.023,58.293
PACK- on Top Layer "PACK-_L01_P018" (solid, pour order 18): 63.246,62.611 64.389,62.738 92.202,62.103 92.202,72.898 89.916,75.184 96.774,75.184 96.774,61.087 93.726,58.039 63.541,58.039
PACK- on Top Layer "PACK-_L01_P017" (solid, pour order 17): 94.996,97.79 95.123,97.663 99.822,97.663 99.822,96.774 98.171,89.916 96.774,75.184 85.598,75.184 84.201,76.581 84.201,80.772 87.884,84.455

## Silkscreen, mask and mechanical layers (free items; w line width, h text height)
Top Overlay:
  lines w0.025: 32.893,72.009 32.893,99.314 cw(c34.163,99.314) 34.163,100.584 117.983,100.584 cw(c117.983,99.314) 119.253,99.314 119.253,52.324 cw(c117.983,52.324) 117.983,51.054 37.338,51.054 34.163,51.054 cw(c34.163,52.324) 32.893,52.324 32.893,71.882 32.893,72.136
  lines w0.25: 96.393,51.435 96.393,58.42 ; 96.393,90.551 96.393,92.583 ; 94.615,60.198 ccw(c94.615,60.198) 94.615,60.198 ; 94.615,60.198 94.615,59.436 ccw(c95.631,59.436) 95.631,58.42 96.901,58.42 ccw(c96.901,59.69) 98.171,59.69 98.171,89.281 ccw(c96.901,89.281) 96.901,90.551 95.885,90.551 ccw(c95.885,89.281) 94.615,89.281 94.615,60.198
  text "->" at 96.012,86.487 h0.7
  text "MCU" at 96.647,83.82 h0.7 r90
  text "Qazi Arsalan Ahmed" at 96.647,67.883 h0.7 r90
  text "BMS" at 96.647,63.119 h0.7 r90
  text "->" at 96.647,62.357 h0.7 r180
  text "Hi-Current" at 95.504,51.816 h0.5 r90
  text "High Freq." at 97.75,51.816 h0.5 r90